# KiCad board analog_i.kicad_pcb (continued)
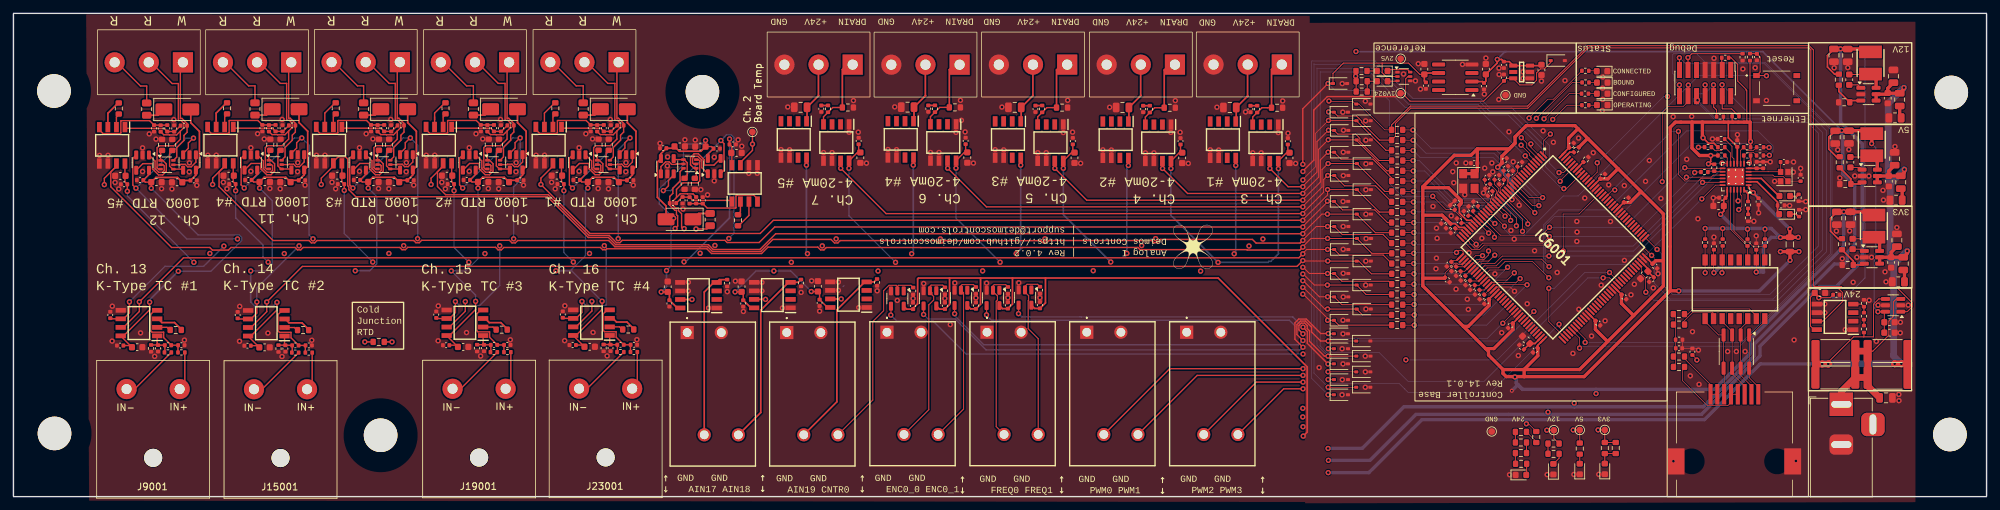
[diagram p0: board, top side]
## Nets (continued)
GND: C3001.1 C3002.1 C3003.1 C3004.1 C3005.1 C3006.1 C3007.1 C3008.1 C3009.1 C3010.1 C3011.1 C4001.1 C4003.2 C4004.2 C4005.1 C4006.1 C4007.2 C4010.2 C4011.1 C5001.1 C5003.2 C5004.2 C5005.1 C5006.1 C5007.2 C5008.1 C5009.1 C5010.2 C5011.1 C5012.1 C6001.2 C6002.2 C6003.2 C6004.2 C6005.2 C6006.2 C6007.2 C6008.2 C6009.2 C6010.2 C6011.2 C6012.2 C6013.2 C6014.2 C6015.2 C6016.2 C6017.2 C6018.2 C6019.2 C6020.2 C6021.1 C6022.1 C6023.1 C6024.1 C6025.1 C6026.1 C6027.1 C6028.1 C6029.1 C6030.1 C6031.1 C6032.1 C6033.1 C6034.1 C6035.1 C6036.1 C6037.1 C6038.1 C6039.1 C6040.2 C6041.1 C6043.1 C6048.1 C6049.1 C6050.1 C6051.1 C7001.1 C7002.1 C7003.1 C7004.1 C7005.1 C7006.1 C7007.1 C7008.1 C7009.1 C7010.1 C7011.1 C7012.2 C8001.2 C8002.2 C8003.2 C8005.1 C8006.1 C9001.2 C9003.2 C9004.2 C9005.1 C9006.1 C10002.2 C10003.2 C10005.2 C10006.2 C11001.2 C11002.1 C11003.1 C11004.2 C11006.2 C11010.2 C11011.2 C12001.2 C12003.2 C12007.2 C12008.2 C13001.1 C13003.2 C13004.2 C13005.1 C13006.1 C13007.2 C13010.2 C13011.1 C14001.2 C14002.1 C14003.1 C15001.2 C15003.2 C15004.2 C15005.1 C15006.1 C17001.1 C17003.2 C17004.2 C17005.1 C17006.1 C17007.2 C17008.1 C17010.2 C17011.1 C18001.2 C18002.1 C18003.1 C19001.2 C19003.2 C19004.2 C19005.1 C19006.1 C20001.1 C21001.1 C21003.2 C21004.2 C21005.1 C21006.1 C21007.2 C21010.2 C21011.1 C22001.2 C22002.1 C22003.1 C23001.2 C23003.2 C23004.2 C23005.1 C23006.1 C24001.1 C25001.1 C25003.2 C25004.2 C25005.1 C25006.1 C25007.2 C25010.2 C25011.1 C26001.2 C26002.1 C26003.1 C28001.1 C32001.1 D1001.2 D1002.2 D1003.2 D1004.2 D1005.2 D1006.2 D1007.2 D1008.2 D1009.2 D1010.2 D1011.2 D1012.2 D1013.2 D1014.2 D1015.2 D1016.2 D1017.2 D1018.2 D1019.2 D1020.2 D1021.2 D1022.2 D1023.2 D1024.2 D1025.2 D1026.2 D1027.2 D1028.2 D2001.2 D2002.2 D2003.2 D6001.1 D6002.1 D6003.1 D6004.1 D7006.1 D7007.1 D7008.1 D7009.1 IC3001.1 IC3001.5 IC3001.6 IC3002.1 IC3002.5 IC3002.6 IC3003.1 IC3003.5 IC3003.6 IC4001.5 IC4001.6 IC4002.2 IC4003.2 IC5001.5 IC5001.6 IC5002.2 IC5003.2 IC5004.1 IC5004.2 IC6001.16 IC6001.31 IC6001.38 IC6001.51 IC6001.61 IC6001.83 IC6001.94 IC6001.107 IC6001.120 IC6001.130 IC8001.1 IC8001.5 IC8001.6 IC9001.5 IC10001.2 IC11001.1 IC11001.5 IC11001.6 IC11002.2 IC12001.2 IC13001.5 IC13001.6 IC13002.2 IC13003.2 IC14001.1 IC14001.5 IC14001.6 IC15001.5 IC17001.5 IC17001.6 IC17002.2 IC17003.2 IC17004.5 IC17004.6 IC18001.1 IC18001.5 IC18001.6 IC19001.5 IC20001.5 IC20001.6 IC21001.5 IC21001.6 IC21002.2 IC21003.2 IC22001.1 IC22001.5 IC22001.6 IC23001.5 IC24001.5 IC24001.6 IC25001.5 IC25001.6 IC25002.2 IC25003.2 IC26001.1 IC26001.5 IC26001.6 IC28001.5 IC28001.6 IC32001.5 IC32001.6 J3001.1 J3001.2 J3002.1 J3002.2 J3003.1 J3003.2 J3004.1 J3004.2 J3005.1 J3005.2 J3006.1 J3006.2 J6001.5 J6001.7 J7001.9 J7001.10 J8001.2 J11001.3 J14001.3 J18001.3 J22001.3 J26001.3 R3002.2 R3003.2 R3004.2 R3005.2 R3006.2 R3007.2 R3008.2 R3009.2 R4006.2 R4009.2 R5006.2 R5009.2 R6022.2 R6024.1 R7010.1 R7012.2 R7015.1 R7017.1 R7019.2 R7024.2 R8005.1 R9003.2 R10001.2 R10003.2 R11002.1 R11004.2 R11005.2 R12002.2 R12003.2 R13006.2 R13009.2 R14002.1 R15003.2 R17006.2 R17009.2 R18002.1 R19003.2 R21006.2 R21009.2 R22002.1 R23003.2 R25006.2 R25009.2 R26002.1 S6001.C1 TP7006.1 TP8002.1 U3001.3 U3002.3 U3003.3 U3004.3 U3005.3 U6002.4 U7001.25 U7003.1 U7003.4 U8001.2 U8001.5 Y6001.2 Y7001.2 Y7001.4
/analog_frontend/AIN2: D1002.1 IC4001.7 R6003.1 TP3001.1
/analog_frontend/AIN3: D1003.1 IC11001.7 R6007.1
/analog_frontend/AIN4: D1004.1 IC14001.7 R6008.1
/analog_frontend/AIN5: D1005.1 IC18001.7 R6004.1
/analog_frontend/AIN6: D1006.1 IC22001.7 R6005.1
/analog_frontend/AIN7: D1007.1 IC26001.7 R6006.1
/analog_frontend/AIN8: D1008.1 IC5001.7 R6009.1
/analog_frontend/AIN9: D1009.1 IC13001.7 R6010.1
/analog_frontend/AIN10: D1010.1 IC17001.7 R6011.1
/analog_frontend/AIN11: D1011.1 IC21001.7 R6012.1
/analog_frontend/AIN12: D1012.1 IC25001.7 R6013.1
/analog_frontend/AIN13: D1013.1 IC9001.7 R6014.1
/analog_frontend/AIN14: D1014.1 IC15001.7 R6015.1
/analog_frontend/AIN15: D1015.1 IC19001.7 R6016.1
/analog_frontend/AIN16: D1016.1 IC23001.7 R6017.1
/analog_frontend/AIN17: D1017.1 IC3003.7 R6018.1
/analog_frontend/AIN18: D1018.1 IC3001.7 R6019.1
/analog_frontend/AIN19: D1019.1 IC3002.7 R6020.1
/analog_frontend/COUNTER0: D1025.1 IC6001.96 U3005.4
/analog_frontend/COUNTER0_PRE: J3006.4 R3005.1 U3005.2
/analog_frontend/ENCODER0_0: D1020.1 IC6001.60 U3002.4
/analog_frontend/ENCODER0_0_PRE: J3004.3 R3008.1 U3002.2
/analog_frontend/ENCODER0_1: D2001.1 IC6001.64 U3001.4
/analog_frontend/ENCODER0_1_PRE: J3004.4 R3009.1 U3001.2
/analog_frontend/FREQ0: D1026.1 IC6001.136 IC6001.137 U3004.4
/analog_frontend/FREQ0_PRE: J3005.3 R3007.1 U3004.2
/analog_frontend/FREQ1: D1027.1 IC6001.5 U3003.4
/analog_frontend/FREQ1_PRE: J3005.4 R3006.1 U3003.2
/analog_frontend/K-Type TC Amp1/Signal+: C15001.1 C15002.1 IC15001.4 R15001.2
/analog_frontend/K-Type TC Amp1/Signal-: C15002.2 C15003.1 IC15001.1 R15002.1 R15003.1
/analog_frontend/K-Type TC Amp2/Signal+: C19001.1 C19002.1 IC19001.4 R19001.2
/analog_frontend/K-Type TC Amp2/Signal-: C19002.2 C19003.1 IC19001.1 R19002.1 R19003.1
/analog_frontend/K-Type TC Amp3/Signal+: C23001.1 C23002.1 IC23001.4 R23001.2
/analog_frontend/K-Type TC Amp3/Signal-: C23002.2 C23003.1 IC23001.1 R23002.1 R23003.1
/analog_frontend/K-Type TC Amp/Signal+: C9001.1 C9002.1 IC9001.4 R9001.2
/analog_frontend/K-Type TC Amp/Signal-: C9002.2 C9003.1 IC9001.1 R9002.1 R9003.1
/analog_frontend/PWM0: D1021.1 IC6001.97 J3002.3
/analog_frontend/PWM1: D1022.1 IC6001.75 J3002.4
/analog_frontend/PWM2: D1023.1 IC6001.139 J3003.3
/analog_frontend/PWM3: D1024.1 IC6001.140 J3003.4
/analog_frontend/RTD Amp1/rtd_amp_inner/250uA_SINK_1: J12001.1 R13005.2 U13001.6
/analog_frontend/RTD Amp1/rtd_amp_inner/250uA_SINK_2: J12001.2 R13004.2 U13001.3
/analog_frontend/RTD Amp1/rtd_amp_inner/R+: J12001.3 R13003.2
/analog_frontend/RTD Amp1/rtd_amp_inner/Signal+: C13001.2 C13002.1 IC13001.4 R13004.1
/analog_frontend/RTD Amp1/rtd_amp_inner/Signal-: C13002.2 C13003.1 IC13001.1 R13005.1
/analog_frontend/RTD Amp2/rtd_amp_inner/250uA_SINK_1: J16001.1 R17005.2 U17001.6
/analog_frontend/RTD Amp2/rtd_amp_inner/250uA_SINK_2: J16001.2 R17004.2 U17001.3
/analog_frontend/RTD Amp2/rtd_amp_inner/R+: J16001.3 R17003.2
/analog_frontend/RTD Amp2/rtd_amp_inner/Signal+: C17001.2 C17002.1 IC17001.4 R17004.1
/analog_frontend/RTD Amp2/rtd_amp_inner/Signal-: C17002.2 C17003.1 IC17001.1 R17005.1
/analog_frontend/RTD Amp3/rtd_amp_inner/250uA_SINK_1: J20001.1 R21005.2 U21001.6
/analog_frontend/RTD Amp3/rtd_amp_inner/250uA_SINK_2: J20001.2 R21004.2 U21001.3
/analog_frontend/RTD Amp3/rtd_amp_inner/R+: J20001.3 R21003.2
/analog_frontend/RTD Amp3/rtd_amp_inner/Signal+: C21001.2 C21002.1 IC21001.4 R21004.1
/analog_frontend/RTD Amp3/rtd_amp_inner/Signal-: C21002.2 C21003.1 IC21001.1 R21005.1
/analog_frontend/RTD Amp4/rtd_amp_inner/250uA_SINK_1: J24001.1 R25005.2 U25001.6
/analog_frontend/RTD Amp4/rtd_amp_inner/250uA_SINK_2: J24001.2 R25004.2 U25001.3
/analog_frontend/RTD Amp4/rtd_amp_inner/R+: J24001.3 R25003.2
/analog_frontend/RTD Amp4/rtd_amp_inner/Signal+: C25001.2 C25002.1 IC25001.4 R25004.1
/analog_frontend/RTD Amp4/rtd_amp_inner/Signal-: C25002.2 C25003.1 IC25001.1 R25005.1
/analog_frontend/RTD Amp/rtd_amp_inner/250uA_SINK_1: J10001.1 R5005.2 U5001.6
/analog_frontend/RTD Amp/rtd_amp_inner/250uA_SINK_2: J10001.2 R5004.2 U5001.3
/analog_frontend/RTD Amp/rtd_amp_inner/R+: J10001.3 R5003.2
/analog_frontend/RTD Amp/rtd_amp_inner/Signal+: C5001.2 C5002.1 IC5001.4 R5004.1
/analog_frontend/RTD Amp/rtd_amp_inner/Signal-: C5002.2 C5003.1 IC5001.1 R5005.1
/analog_frontend/rtd_amp_inner1/250uA_SINK_1: R3001.1 R4005.2 U4001.6
/analog_frontend/rtd_amp_inner1/250uA_SINK_2: R3001.2 R4003.2 R4004.2 U4001.3
/analog_frontend/rtd_amp_inner1/Signal+: C4001.2 C4002.1 IC4001.4 R4004.1
/analog_frontend/rtd_amp_inner1/Signal-: C4002.2 C4003.1 IC4001.1 R4005.1
/base/AIN0: D2002.1 R6001.1 U8001.1
/base/AIN1: D1001.1 IC8001.7 R6002.1
/base/Micro/AIN0_Filt: C6001.1 IC6001.13 R6001.2
/base/Micro/AIN1_Filt: C6002.1 IC6001.14 R6002.2
/base/Micro/AIN2_Filt: C6003.1 IC6001.15 R6003.2
/base/Micro/AIN3_Filt: C6007.1 IC6001.18 R6007.2
/base/Micro/AIN4_Filt: C6008.1 IC6001.19 R6008.2
/base/Micro/AIN5_Filt: C6004.1 IC6001.20 R6004.2
/base/Micro/AIN6_Filt: C6005.1 IC6001.21 R6005.2
/base/Micro/AIN7_Filt: C6006.1 IC6001.22 R6006.2
/base/Micro/AIN8_Filt: C6009.1 IC6001.26 R6009.2
/base/Micro/AIN9_Filt: C6010.1 IC6001.28 R6010.2
/base/Micro/AIN10_Filt: C6011.1 IC6001.29 R6011.2
/base/Micro/AIN11_Filt: C6012.1 IC6001.34 R6012.2
/base/Micro/AIN12_Filt: C6013.1 IC6001.37 R6013.2
/base/Micro/AIN13_Filt: C6014.1 IC6001.40 R6014.2
/base/Micro/AIN14_Filt: C6015.1 IC6001.41 R6015.2
/base/Micro/AIN15_Filt: C6016.1 IC6001.42 R6016.2
/base/Micro/AIN16_Filt: C6017.1 IC6001.46 R6017.2
/base/Micro/AIN17_Filt: C6018.1 IC6001.47 R6018.2
/base/Micro/AIN18_Filt: C6019.1 IC6001.49 R6019.2
/base/Micro/AIN19_Filt: C6020.1 IC6001.50 R6020.2
/base/Micro/DEBUG_RESET: C6027.2 IC6001.25 J6001.12 R6028.2 S6001.A1 U7001.15
/base/Micro/DEBUG_TCK/SWCLK: IC6001.109 J6001.6 R6030.1
/base/Micro/DEBUG_TDI: IC6001.110 J6001.10
/base/Micro/DEBUG_TDO/SWO: IC6001.133 J6001.8
/base/Micro/DEBUG_TMS/SWDIO: IC6001.105 J6001.4 R6029.1
/base/Micro/Ethernet/RX+: R7013.1 T7001.6 U7001.23
/base/Micro/Ethernet/RX-: R7011.1 T7001.8 U7001.22
/base/Micro/Ethernet/TX+: R7018.1 T7001.1 U7001.21
/base/Micro/Ethernet/TX-: R7016.1 T7001.3 U7001.20
/base/Micro/HSECLK: IC6001.23 Y6001.3
/base/Micro/LED0: IC6001.4 R6023.2
/base/Micro/LED1: IC6001.3 R6025.2
/base/Micro/LED2: IC6001.2 R6026.2
/base/Micro/LED3: IC6001.1 R6027.2
/base/Micro/RMII_CRS_DV: IC6001.43 R7005.1
/base/Micro/RMII_MDC: IC6001.27 U7001.13
/base/Micro/RMII_MDIO: IC6001.36 R7008.1 U7001.12
/base/Micro/RMII_REF_CLK: IC6001.35 R7007.2
/base/Micro/RMII_RXD0: IC6001.44 R7001.2
/base/Micro/RMII_RXD1: IC6001.45 R7003.2
/base/Micro/RMII_TX_EN: IC6001.126 U7001.16
/base/Micro/RMII_TXD0: IC6001.128 U7001.17
/base/Micro/RMII_TXD1: IC6001.74 U7001.18
/base/Micro/UART_RX: IC6001.78 J6001.13
/base/Micro/UART_TX: IC6001.77 J6001.14
Net-(C7012-Pad1): C7012.1 R7020.2 R7021.1 R7022.1 R7023.2 R7024.1
Net-(C10004-Pad2): C10004.2 R10003.1
Net-(C11001-Pad1): C11001.1 R11001.1
Net-(C11005-Pad2): C11005.2 R11005.1
Net-(C12002-Pad2): C12002.2 R12003.1
Net-(C14001-Pad1): C14001.1 R14001.1
Net-(C18001-Pad1): C18001.1 R18001.1
Net-(C22001-Pad1): C22001.1 R22001.1
Net-(C26001-Pad1): C26001.1 R26001.1
Net-(D4001-K): D4001.1 R4003.1
Net-(D5001-K): D5001.1 R5003.1
Net-(D6001-A): D6001.2 R6023.1
Net-(D6002-A): D6002.2 R6025.1
Net-(D6003-A): D6003.2 R6026.1
Net-(D6004-A): D6004.2 R6027.1
Net-(D7001-A): D7001.2 R7012.1 U7001.2
Net-(D7001-K): D7001.1 R7015.2
Net-(D7002-A): D7002.2 U7001.3
Net-(D7002-K): D7002.1 R7019.1
Net-(D7004-A): D7004.2 R7029.1
Net-(D7004-K): D7004.1 U7003.6
Net-(D7005-A): D7005.2 R7030.1 R7035.1
Net-(D7005-K): D7005.1 U7003.3
Net-(D7006-A): D7006.2 R7031.1 R7036.1
Net-(D7007-A): D7007.2 R7032.1
Net-(D7008-A): D7008.2 R7033.1
Net-(D7009-A): D7009.2 R7034.1
Net-(D13001-K): D13001.1 R13003.1
Net-(D17001-K): D17001.1 R17003.1
Net-(D21001-K): D21001.1 R21003.1
Net-(D25001-K): D25001.1 R25003.1
Net-(IC3001-+IN): IC3001.4 J3001.4 R3002.1
Net-(IC3002-+IN): IC3002.4 J3006.3 R3003.1
Net-(IC3003-+IN): IC3003.4 J3001.3 R3004.1
Net-(IC4001-RG_1): IC4001.2 R4002.1
Net-(IC4001-RG_2): IC4001.3 R4002.2
Net-(IC4002--IN): IC4002.4 R4006.1 U4001.1
Net-(IC4002-OUT): IC4002.1 U4001.2
Net-(IC4003--IN): IC4003.4 R4009.1 U4001.4
Net-(IC4003-OUT): IC4003.1 U4001.5
Net-(IC5001-RG_1): IC5001.2 R5002.1
Net-(IC5001-RG_2): IC5001.3 R5002.2
Net-(IC5002--IN): IC5002.4 R5006.1 U5001.1
Net-(IC5002-OUT): IC5002.1 U5001.2
Net-(IC5003--IN): IC5003.4 R5009.1 U5001.4
Net-(IC5003-OUT): IC5003.1 U5001.5
Net-(IC6001-BOOT0): IC6001.138 R6022.1
Net-(IC6001-PDR_ON): IC6001.143 R6021.2
Net-(IC6001-VCAP_1): C6034.2 C6035.2 IC6001.71
Net-(IC6001-VCAP_2): C6040.1 C6041.2 IC6001.106
Net-(IC8001-+IN): IC8001.4 R8005.2 R8007.1
Net-(IC9001-RG_1): IC9001.2 R9005.1
Net-(IC9001-RG_2): IC9001.3 R9005.2
Net-(IC10001-CB): C10001.2 IC10001.1
Net-(IC10001-FB): IC10001.3 R10001.1 R10002.2
Net-(IC10001-SW): C10001.1 IC10001.6 L10001.2
Net-(IC11001-+IN): IC11001.4 J11001.1 R11001.2 R11002.2
Net-(IC11002-CB): C11009.2 IC11002.1
Net-(IC11002-FB): IC11002.3 R11003.2 R11004.1
Net-(IC11002-SW): C11009.1 IC11002.6 L11001.2
Net-(IC12001-CB): C12006.2 IC12001.1
Net-(IC12001-FB): IC12001.3 R12001.2 R12002.1
Net-(IC12001-SW): C12006.1 IC12001.6 L12001.2
Net-(IC13001-RG_1): IC13001.2 R13002.1
Net-(IC13001-RG_2): IC13001.3 R13002.2
Net-(IC13002--IN): IC13002.4 R13006.1 U13001.1
Net-(IC13002-OUT): IC13002.1 U13001.2
Net-(IC13003--IN): IC13003.4 R13009.1 U13001.4
Net-(IC13003-OUT): IC13003.1 U13001.5
Net-(IC14001-+IN): IC14001.4 J14001.1 R14001.2 R14002.2
Net-(IC15001-RG_1): IC15001.2 R15005.1
Net-(IC15001-RG_2): IC15001.3 R15005.2
Net-(IC17001-RG_1): IC17001.2 R17002.1
Net-(IC17001-RG_2): IC17001.3 R17002.2
Net-(IC17002--IN): IC17002.4 R17006.1 U17001.1
Net-(IC17002-OUT): IC17002.1 U17001.2
Net-(IC17003--IN): IC17003.4 R17009.1 U17001.4
Net-(IC17003-OUT): IC17003.1 U17001.5
Net-(IC17004-VO): C17008.2 IC17004.1 J11001.2
Net-(IC18001-+IN): IC18001.4 J18001.1 R18001.2 R18002.2
Net-(IC19001-RG_1): IC19001.2 R19005.1
Net-(IC19001-RG_2): IC19001.3 R19005.2
Net-(IC20001-VO): C20001.2 IC20001.1 J14001.2
Net-(IC21001-RG_1): IC21001.2 R21002.1
Net-(IC21001-RG_2): IC21001.3 R21002.2
Net-(IC21002--IN): IC21002.4 R21006.1 U21001.1
Net-(IC21002-OUT): IC21002.1 U21001.2
Net-(IC21003--IN): IC21003.4 R21009.1 U21001.4
Net-(IC21003-OUT): IC21003.1 U21001.5
Net-(IC22001-+IN): IC22001.4 J22001.1 R22001.2 R22002.2
Net-(IC23001-RG_1): IC23001.2 R23005.1
Net-(IC23001-RG_2): IC23001.3 R23005.2
Net-(IC24001-VO): C24001.2 IC24001.1 J18001.2
Net-(IC25001-RG_1): IC25001.2 R25002.1
Net-(IC25001-RG_2): IC25001.3 R25002.2
Net-(IC25002--IN): IC25002.4 R25006.1 U25001.1
Net-(IC25002-OUT): IC25002.1 U25001.2
Net-(IC25003--IN): IC25003.4 R25009.1 U25001.4
Net-(IC25003-OUT): IC25003.1 U25001.5
Net-(IC26001-+IN): IC26001.4 J26001.1 R26001.2 R26002.2
Net-(IC28001-VO): C28001.2 IC28001.1 J22001.2
Net-(IC32001-VO): C32001.2 IC32001.1 J26001.2
Net-(J6001-Pin_3): J6001.3 R13007.2
Net-(J6001-Pin_11): J6001.11 R6024.2
Net-(J7001-Pad4): J7001.4 J7001.5 R7022.2
Net-(J7001-Pad7): J7001.7 J7001.8 R7023.1
Net-(J9001-Pin_1): J9001.1 R9002.2
Net-(J9001-Pin_2): J9001.2 R9001.1
Net-(J15001-Pin_1): J15001.1 R15002.2
Net-(J15001-Pin_2): J15001.2 R15001.1
Net-(J19001-Pin_1): J19001.1 R19002.2
Net-(J19001-Pin_2): J19001.2 R19001.1
Net-(J23001-Pin_1): J23001.1 R23002.2
Net-(J23001-Pin_2): J23001.2 R23001.1
Net-(R7014-Pad1): R7014.1 R7017.2
Net-(R7025-Pad1): R7025.1 R7033.2
Net-(R7025-Pad2): R7025.2 R7026.1
Net-(R7026-Pad2): R7026.2 R7028.1
Net-(R7027-Pad1): R7027.1 R7034.2
Net-(R7028-Pad2): R7028.2 R7037.1
Net-(R8006-Pad2): R8006.2 R8007.2
Net-(T7001-CT_1): C7006.2 C7007.2 C7008.2 C7009.2 C7010.2 C7011.2 FB7001.2 R7011.2 R7013.2 R7016.2 R7018.2 T7001.2 T7001.7 U7001.1 U7001.19
Net-(T7001-NC_3): R7020.1 T7001.10
Net-(T7001-NC_6): R7021.2 T7001.15
Net-(T7001-RX+): D7003.3 D7003.6 J7001.3 T7001.11
Net-(T7001-RX-): D7003.4 D7003.5 J7001.6 T7001.9
Net-(T7001-TX+): D7003.1 D7003.8 J7001.1 T7001.16
Net-(T7001-TX-): D7003.2 D7003.7 J7001.2 T7001.14
Net-(U7001-CRS_DV/MODE2): R7005.2 R7006.2 U7001.11
Net-(U7001-RBIAS): R7014.2 U7001.24
Net-(U7001-RXD0/MODE0): R7001.1 R7002.2 U7001.8
Net-(U7001-RXD1/MODE1): R7003.1 R7004.2 U7001.7
Net-(U7001-RXER/PHYAD0): R7010.2 U7001.10
Net-(U7001-VDDCR): C7003.2 C7004.2 U7001.6
Net-(U7001-XTAL1/CLKIN): C7001.2 U7001.5 Y7001.3
Net-(U7001-XTAL2): C7002.2 U7001.4 Y7001.1
Net-(U7001-~{INT}/REFCLKO): R7007.1 R7009.2 U7001.14
Net-(U8001-+): C8003.1 J8001.1 R8001.2 R8002.2 R8003.2 R8004.2 U8001.3

Pads without a net: IC3001 2 3; IC3002 2 3; IC3003 2 3; IC5004 5; IC6001 6 7 8 9 10 11 12 24 48 53 54 55 56 57 58 59 63 65 66 67 68 69 70 73 76 79 80 81 82 85 86 87 88 89 90 91 92 93 98 99 100 101 102 103 104 111 112 113 114 115 116 117 118 119 122 123 124 125 127 129 132 134 135 141 142; IC8001 2 3; IC11001 2 3; IC14001 2 3; IC17004 2 3 4 7; IC18001 2 3; IC20001 2 3 4 7; IC22001 2 3; IC24001 2 3 4 7; IC26001 2 3; IC28001 2 3 4 7; IC32001 2 3 4 7; J6001 1 2 9; J8001 3; S6001 B1 D1; T7001 4 5 12 13; U3001 1; U3002 1; U3003 1; U3004 1; U3005 1; U6002 1 3 5 7 8

## Via types
v1: diameter 0.8, hole 0.4, Top to Bottom, 689 vias
v2: diameter 0.6, hole 0.3, Top to Bottom, 1 via

## Routing (per net, layer and track width the routed paths; a pad name or vN(x,y) marks a point on that pad's centre or on a via; arc(x,y) is an arc through that point)
+1V024: length 300
  Top w0.15: 207.1,60.1 207.1,59.62 207.8,58.92 218.75,58.92 C5008.2 222.15,62.32 IC5004.6 224.12,61.35 225.92,61.35 226.62,62.05 226.62,63.16 227.2,63.73 227.77,63.73 228.72,64.69 D2003.1 ; 207.1,60.1 TP7005.1 ; 207.1,60.1 207.15,60.15 207.15,62.25 207.5,62.6 U7003.5
  Top w0.2: C19006.2 63,26.53 IC19001.6 64.87,26.53 65.76,27.42 v1(65.76,29.06) ; 191.85,48.51 193.47,50.13 193.47,57.59 195.49,59.61 205.89,59.61 TP7005.1 ; C9006.2 14.5,26.49 IC9001.6 16.37,26.49 17.26,27.38 v1(17.26,29.02) ; C15006.2 33.45,26.47 IC15001.6 35.32,26.47 36.21,27.35 v1(36.21,29) ; C23006.2 81.83,26.56 IC23001.6 83.7,26.56 84.59,27.44 v1(84.59,29.09)
  In2.Cu w0.5: 191.83,48.47 190.88,47.52 190.88,38.74 189.48,37.34 v1(183.83,37.34) 30.84,37.34 31.3,37.34 v1(31.31,37.33)
  Bottom w0.2: v1(72.35,37.37) 72.35,31.45 69.37,28.47 66.36,28.47 v1(65.76,29.06) ; v1(17.26,29.02) 22.55,34.31 28.29,34.31 v1(31.31,37.33) ; v1(84.59,29.09) 85.19,28.49 88.12,28.49 88.19,28.56 88.19,37.11 v1(87.91,37.39) ; v1(42.5,37.37) 36.21,31.08 v1(36.21,29)
  vias: v1(58.06,37.39) v1(104.37,37.42) v1(120.34,37.36) v1(167.86,37.4) v1(191.86,48.44)
+2V5: length 465.8
  Top w0.1: v1(211.17,44.75) 213.18,42.74 C6024.2 214.44,42.59 215.44,41.59 C6023.2 215.88,40.76 IC6001.32
  Top w0.15: C6051.2 209.25,62.92 207.57,64.6 206.38,64.6 ; 206.38,64.6 206.38,65.23 TP7003.1 ; 206.38,64.6 203.65,64.6 ; 203.65,64.6 197.87,64.6 196.33,63.05 D1028.1 v1(195.6,61.55) ; 203.65,64.6 203.65,63.17 204.22,62.6 U7003.2
  Top w0.2: v1(75.4,53.44) 75.35,53.44 74.64,52.73 74.64,51.94 73.86,51.16 IC13003.3 ; IC21003.3 41.36,51.16 42.14,51.94 42.14,52.73 42.85,53.44 v1(42.9,53.44) ; IC17003.3 57.52,51.16 58.3,51.94 58.3,52.73 59.02,53.44 v1(59.06,53.44) ; IC25003.3 25.25,51.13 26.02,51.91 26.02,52.7 26.74,53.42 v1(26.79,53.42) ; v1(105.26,53.06) 105.72,52.6 105.72,48.61 IC4002.3 ; IC13002.3 66.38,50.43 66.38,46.44 v1(66.83,45.98) ; 191.83,49.58 191.83,57.79 v1(195.6,61.55) ; IC5002.3 82.72,50.43 82.72,46.44 v1(83.17,45.98) ; IC17002.3 50.04,50.43 50.04,46.44 v1(50.5,45.98) ; IC25002.3 17.77,50.4 17.77,46.42 v1(18.23,45.95) ; IC21002.3 33.88,50.43 33.88,46.44 v1(34.34,45.98) ; IC4003.3 98.23,47.88 97.46,47.1 97.46,46.31 96.74,45.59 v1(96.69,45.59) ; v1(91.74,53.44) 91.69,53.44 90.98,52.73 90.98,51.94 90.2,51.16 IC5003.3
  Top w0.25: U6002.6 210.12,63.12 C6051.2 209.92,61.94 C6050.2
  In2.Cu w0.5: v1(191.84,49.51) 191.7,49.51 190.28,48.09 190.28,39.19 189.47,38.38 v1(185.9,38.38) 32.87,38.38 33.33,38.38 v1(33.34,38.39)
  Bottom w0.1: v1(211.17,44.75) 206.65,44.75 204.77,46.62 204.77,58.94 203.18,60.53 196.62,60.53 v1(195.6,61.55)
  Bottom w0.2: 34.4,45.92 v1(34.34,45.98) 41.8,53.44 v1(42.9,53.44) 43.99,52.36 43.99,38.99 v1(44.57,38.41) ; v1(96.69,45.59) 97.79,45.59 v1(105.26,53.06) 106.09,53.89 106.8,53.89 107.2,53.49 107.2,39.22 v1(106.44,38.46) ; v1(26.79,53.42) 25.69,53.42 v1(18.23,45.95) 25.79,38.39 v1(33.34,38.39) ; 83.24,45.92 v1(83.17,45.98) 83.17,46 90.62,53.44 v1(91.74,53.44) 89.98,51.69 v1(89.98,38.43) ; v1(60.13,38.43) 60.15,38.45 60.15,52.36 v1(59.06,53.44) 57.96,53.44 v1(50.5,45.98) 50.56,45.92 ; v1(66.83,45.98) 66.9,45.92 ; v1(66.83,45.98) 66.85,45.98 ; v1(66.83,45.98) 66.8,45.94 ; v1(66.83,45.98) 74.3,53.44 v1(75.4,53.44) 75.4,47.12 74.42,46.14 v1(74.42,38.41)
  vias: v1(122.41,38.4) v1(137.91,38.39) v1(153.47,38.41) v1(169.93,38.44)
+3V3: length 596.4
  Top w0.1: 254.49,55.83 254.53,55.8 ; 231.49,52.04 C6028.2 232.86,52.01 R6021.1 ; C6029.2 213,33.31 214.47,34.79 214.76,34.79 214.95,34.6 215.54,34.6 IC6001.39 ; 255.74,55.88 255.83,55.8 ; 248.09,55.81 248.08,55.8
  Top w0.15: v1(235.77,9.94) TP7004.1 R7031.2 238.39,8.06 R7036.2 ; 255.83,55.8 255.72,55.9 R6029.2 ; R6030.2 254.42,55.9 254.53,55.8 ; R13007.1 255.55,65.4 256.55,64.4 256.55,61.92 257.8,60.67 257.8,60.57 257.9,60.47 257.9,55.8 ; R6028.1 258.37,55.82 258.4,55.8
  Top w0.25: IC6001.30 216.89,41.17 216.25,41.17 215.14,42.28 C6022.2 ; R7002.1 v1(258.45,52.9) 258.44,52.91 ; IC6001.17 221.98,45.24 v1(222.98,44.25) ; R7006.1 253.01,52.65 252.2,52.65 v1(251.39,53.46) 251.38,53.47 ; IC6001.95 238.23,31.14 C6038.2 ; 143.89,32.56 139.28,32.56 ; 143.89,32.56 143.89,28.66 C3011.2 142.41,27.98 U3001.5 ; 143.89,32.56 148.64,32.56 ; 139.28,32.56 139.28,28.63 C3010.2 137.78,27.94 U3002.5 ; 139.28,32.56 134.66,32.56 134.53,32.44 134.53,28.74 133.85,28.06 C3007.2 132.91,27.93 U3005.5 ; C10006.1 270.35,41.47 270.35,39.56 271.48,38.43 R10002.1 ; C6028.2 230.45,51 IC6001.144 ; R7004.1 258.46,49.96 258.27,49.77 v1(258.27,49.75) 258.25,49.75 258.26,49.76 ; U3004.5 147.15,28.01 C3009.2 148.64,28.69 148.64,32.56 ; C6030.2 235.06,46.33 IC6001.131 ; 153.55,32.56 153.55,28.86 C3008.2 151.94,28.04 U3003.5 ; 153.55,32.56 148.64,32.56 ; 153.55,32.56 179.25,32.56 192.5,19.32 192.5,9.6 v1(191.9,9.01) ; U7001.9 C7005.2 255.15,53.47 255.15,55.8 ; C6025.2 214.54,40.67 215.1,40.11 215.83,40.11 IC6001.33 ; IC6001.121 238.58,42.83 C6032.2 ; 252.95,49.59 v1(252.19,49.59) 252.52,49.92 v1(252.52,50.82) ; 252.17,49.4 252.16,49.4 ; IC6001.108 242.83,35.73 C6036.2 ; v1(252.52,50.82) 252.51,50.83 ; v1(252.52,50.82) R7008.2 ; IC6001.84 234.35,27.25 C6039.2 ; R7009.1 252.93,49.4 ; C6033.2 224.1,26.84 IC6001.62 ; IC6001.52 219.53,29.39 C6031.2 ; IC6001.72 227.62,23.36 226.77,22.51 C6037.2
  Top w0.5: 219.04,22.05 215.73,25.36 ; 219.04,22.05 219.47,21.62 219.47,21.09 221.63,18.93 ; 219.04,22.05 220.26,22.05 223.11,24.89 223.11,25.76 C6033.2 ; 215.73,25.36 209.7,31.39 209.7,32.54 ; 215.73,25.36 216.44,25.36 219.57,28.49 219.57,29.35 C6031.2 ; 209.7,32.54 212.91,32.54 C6029.2 ; 209.7,32.54 209.7,41.93 ; R6021.1 234.13,53.28 234.33,53.28 ; C6037.2 226.81,22.12 226.81,20.99 224.75,18.93 ; 238.74,48.87 237.22,47.35 236.16,47.35 C6030.2 ; 238.74,48.87 242.11,45.5 ; 238.74,48.87 234.33,53.28 ; C6028.2 231.38,52.1 231.38,53.42 232.79,54.82 ; 242.11,45.5 245.49,42.12 245.49,35.14 ; 242.11,45.5 242.11,45.41 240.52,43.82 239.66,43.82 C6032.2 ; 271.29,42.41 C10006.1 276.35,42.42 L10001.1 276.81,41.62 ; Y6001.1 Y6001.4 217.81,48.54 C6043.2 217.81,51.82 ; 265.63,36.51 v1(265.65,36.51) FB7001.1 ; 209.7,41.93 212.56,41.93 C6025.2 ; 209.7,41.93 209.7,46.02 ; 247.75,30.67 v1(247.77,30.65) 246.5,30.67 ; 224.75,18.93 233.03,18.93 237.19,23.1 ; 224.75,18.93 221.63,18.93 ; 224.75,18.93 224.77,18.91 224.77,17.87 ; FB7001.1 v1(264.33,35.21) 264.3,35.23 ; FB7001.1 262.75,36.51 ; 223.42,52.66 223.42,53.61 225.09,55.28 232.33,55.28 232.79,54.82 ; 223.42,52.66 222.57,51.82 217.81,51.82 ; 223.42,52.66 221.46,50.7 221.46,49.78 C6021.2 v1(220.83,49.07) ; 249.75,55.8 249.75,51.93 250.85,50.82 v1(252.52,50.82) ; 249.75,55.8 251.3,55.8 ; 249.75,55.8 247.27,55.8 246.5,55.02 246.5,30.67 ; C6039.2 235.37,26.15 235.37,24.92 237.19,23.1 ; 245.49,35.14 245.49,31.39 241.06,26.97 ; 245.49,35.14 244.34,35.14 C6036.2 ; 241.06,26.97 239.25,28.78 239.25,30.05 C6038.2 ; 241.06,26.97 237.19,23.1 ; 251.3,55.8 258.4,55.8 258.4,52.96 v1(258.45,52.9) ; 251.3,55.8 251.3,53.56 v1(251.39,53.46) ; 246.5,30.67 233.7,17.87 224.77,17.87 ; 224.77,17.87 222.1,17.87 221.63,18.34 221.63,18.93 ; 217.81,51.82 216.84,50.85 214.37,50.85 209.7,46.17 209.7,46.02 ; 209.7,46.02 213.5,46.02 215.41,44.12 215.41,43.71 C6022.2 ; 232.79,54.82 234.33,53.28
  Top w1: 273.32,42.42 C10003.1
  In2.Cu w0.15: v1(235.77,9.94) 235.77,15.05 v1(235.47,15.35)
  In2.Cu w0.25: 191.89,9.08 191.89,6.42 195.36,2.95 210.07,2.95 222.89,15.77 v2(222.94,15.77) 222.94,15.82 222.92,15.8 ; v1(258.45,52.9) 258.27,52.72 v1(258.27,49.75)
  Bottom w0.5: v1(272.32,42.45) 272.32,37.3 258.4,23.37 258.4,21.31 253.06,15.97 235.45,15.97 ; 224.55,15.97 223.85,16.67 ; 224.55,15.97 223.6,16.92 ; 224.55,15.97 235.45,15.97 ; 223.85,16.67 223.6,16.92 ; 223.85,16.67 223.84,16.67 v2(222.94,15.77) ; 223.6,16.92 223.6,17.62 v1(223.4,17.82) ; 235.45,15.97 235.45,15.37 v1(235.47,15.35) ; v1(222.98,44.25) 222.98,46.92 v1(220.83,49.07) ; v1(247.77,30.65) 259.77,30.65 v1(264.33,35.21)
  vias: v1(262.9,36.51)
+5V: length 807.2
  Top w0.15: C8001.1 278.36,27.38 U8001.6 277.51,27.54 277.5,27.55 ; R7030.2 199.78,61.89 R7035.2 ; v1(232.07,9.92) TP7002.1 R7032.2
  Top w0.2: v1(118.71,30.56) 118.72,30.56 C3004.2 119.94,30.31 C3003.2 121.12,28.18 IC3002.8 ; 39.21,29.02 39.21,27.81 35.32,23.93 IC15001.8 34.91,23.91 C15005.2 36.33,22.49 C15004.1 ; v1(107.37,30.5) 107.37,30.51 C3002.2 108.58,30.26 C3001.2 ; v1(87.59,29.11) 87.59,27.9 83.7,24.02 IC23001.8 83.28,24 C23005.2 84.71,22.58 C23004.1 ; 20.26,29.04 20.26,27.84 16.37,23.95 IC9001.8 15.96,23.94 C9005.2 17.38,22.51 C9004.1 ; C19004.1 65.89,22.56 C19005.2 64.46,23.98 IC19001.8 64.87,24 68.76,27.88 v1(68.76,29.09) ; IC17002.5 52.44,48.03 C17007.1 51.89,46.88 C17006.2 52.78,45.98 v1(52.78,45.97) 52.78,45.97 ; 20.5,45.73 20.5,45.94 v1(20.51,45.95) 20.5,45.95 C25006.2 19.61,46.86 19.32,47.16 20.16,48 IC25002.5 ; 36.61,45.97 v1(36.62,45.97) 36.61,45.98 C21006.2 35.72,46.88 C21007.1 36.28,48.03 IC21002.5 ; 85.45,45.97 v1(85.46,45.97) 85.45,45.98 C5006.2 84.56,46.88 C5007.1 85.12,48.03 IC5002.5 ; IC13002.5 68.78,48.03 67.92,47.18 68.23,46.88 C13006.2 69.12,45.98 v1(69.12,45.97) 69.12,45.97 ; IC4002.5 103.32,51.01 C4007.1 103.87,52.16 C4006.2 102.98,53.06 v1(102.97,53.06) 102.98,53.07